# Altium PCB Remotor.PcbDoc
Units mil, origin at the board's own origin, x right, y up, seen from the top; angles counter-clockwise.
Board outline 3877.18 x 3948.17 mil, 2 copper layers (Top Layer, Bottom Layer); 86 components, 78 nets, 344 pads, 211 vias.
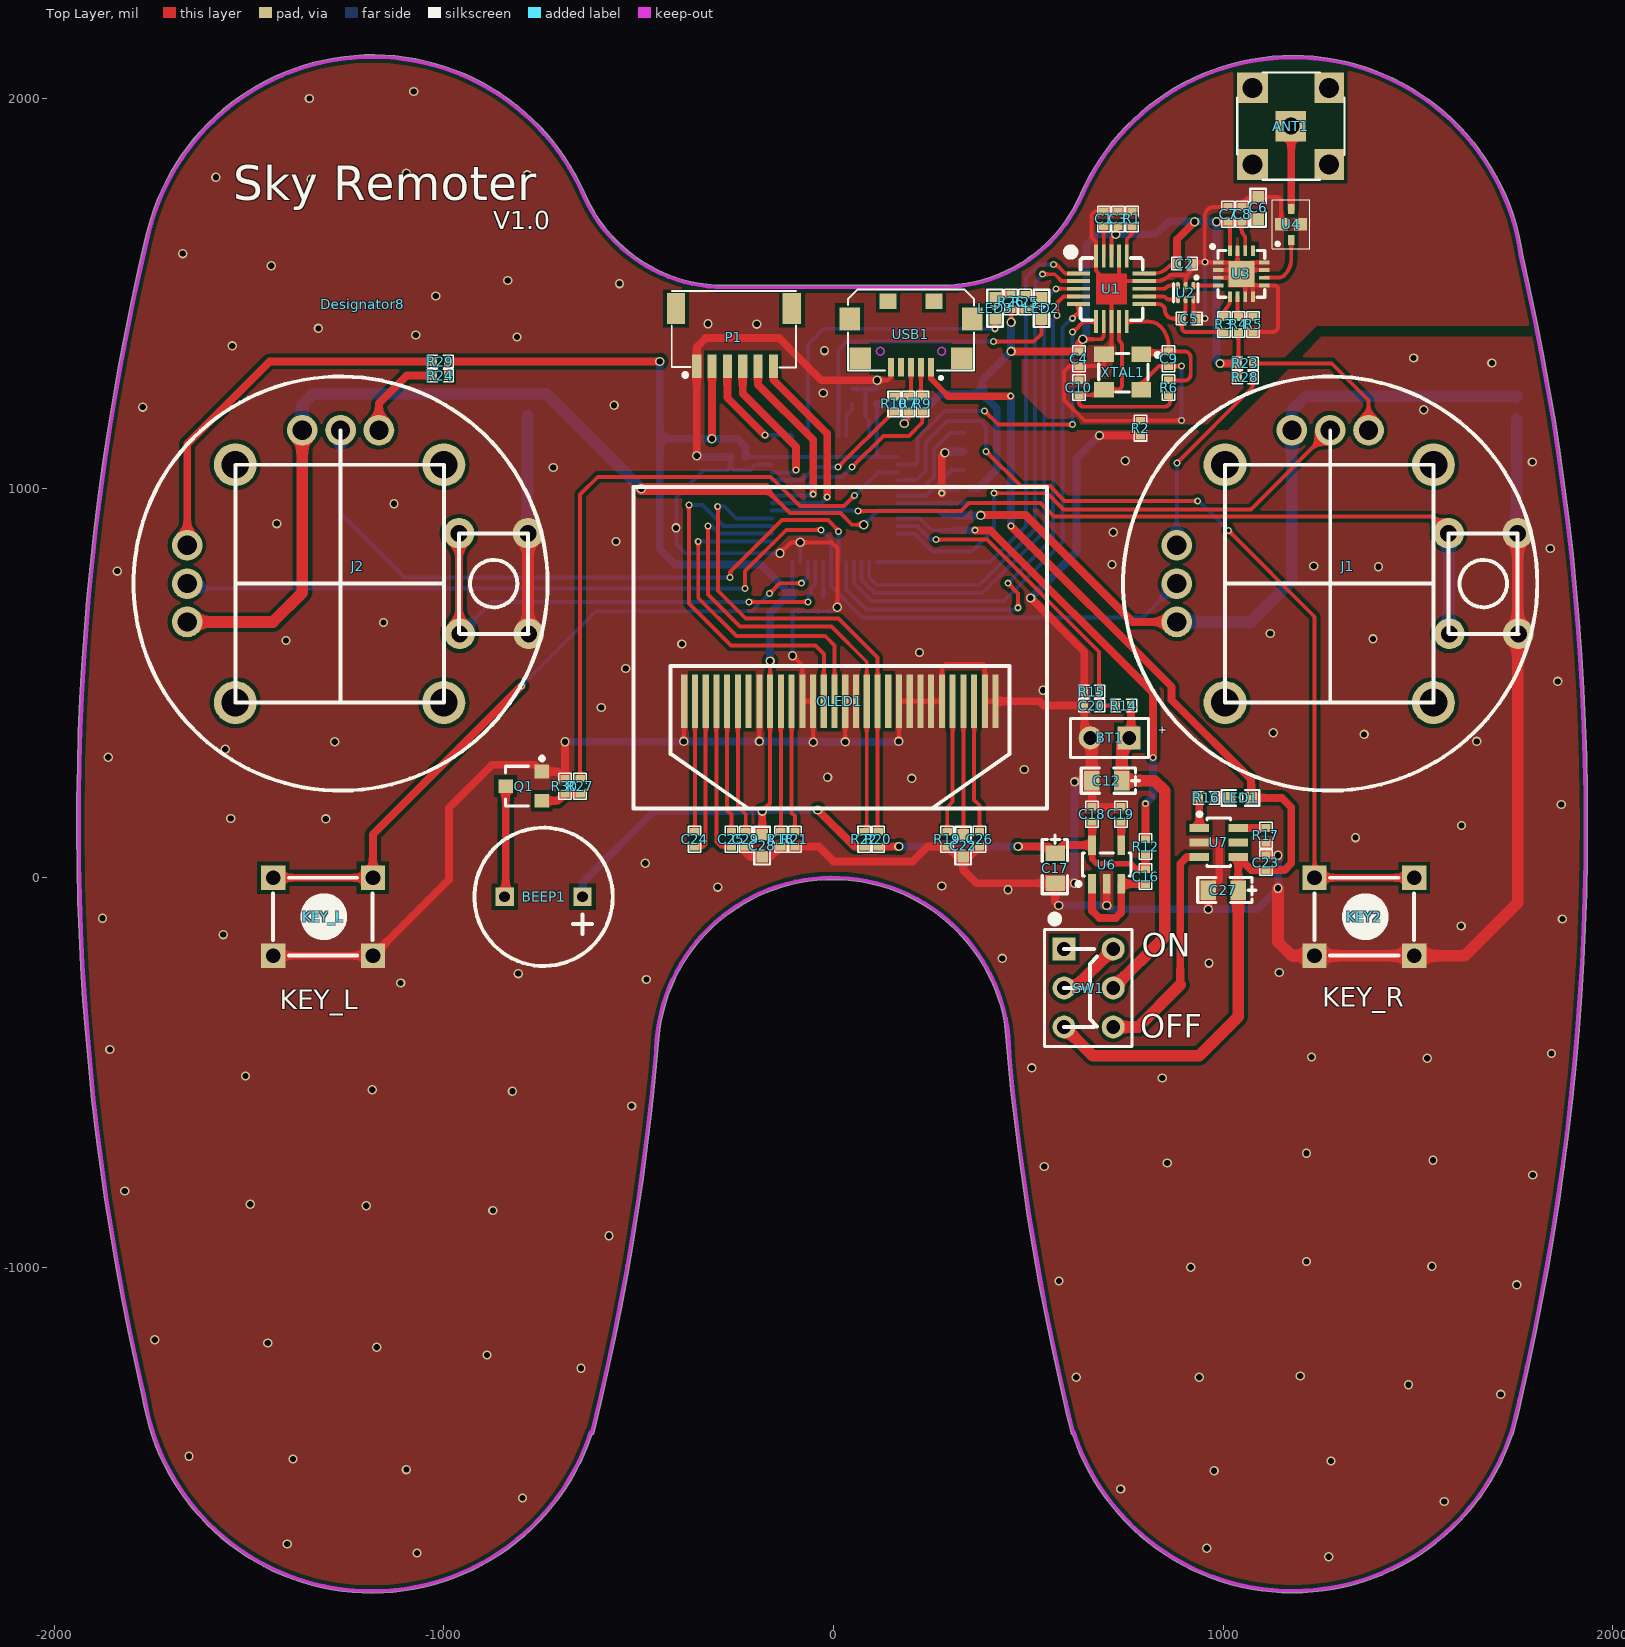
[diagram p0: Top Layer view]
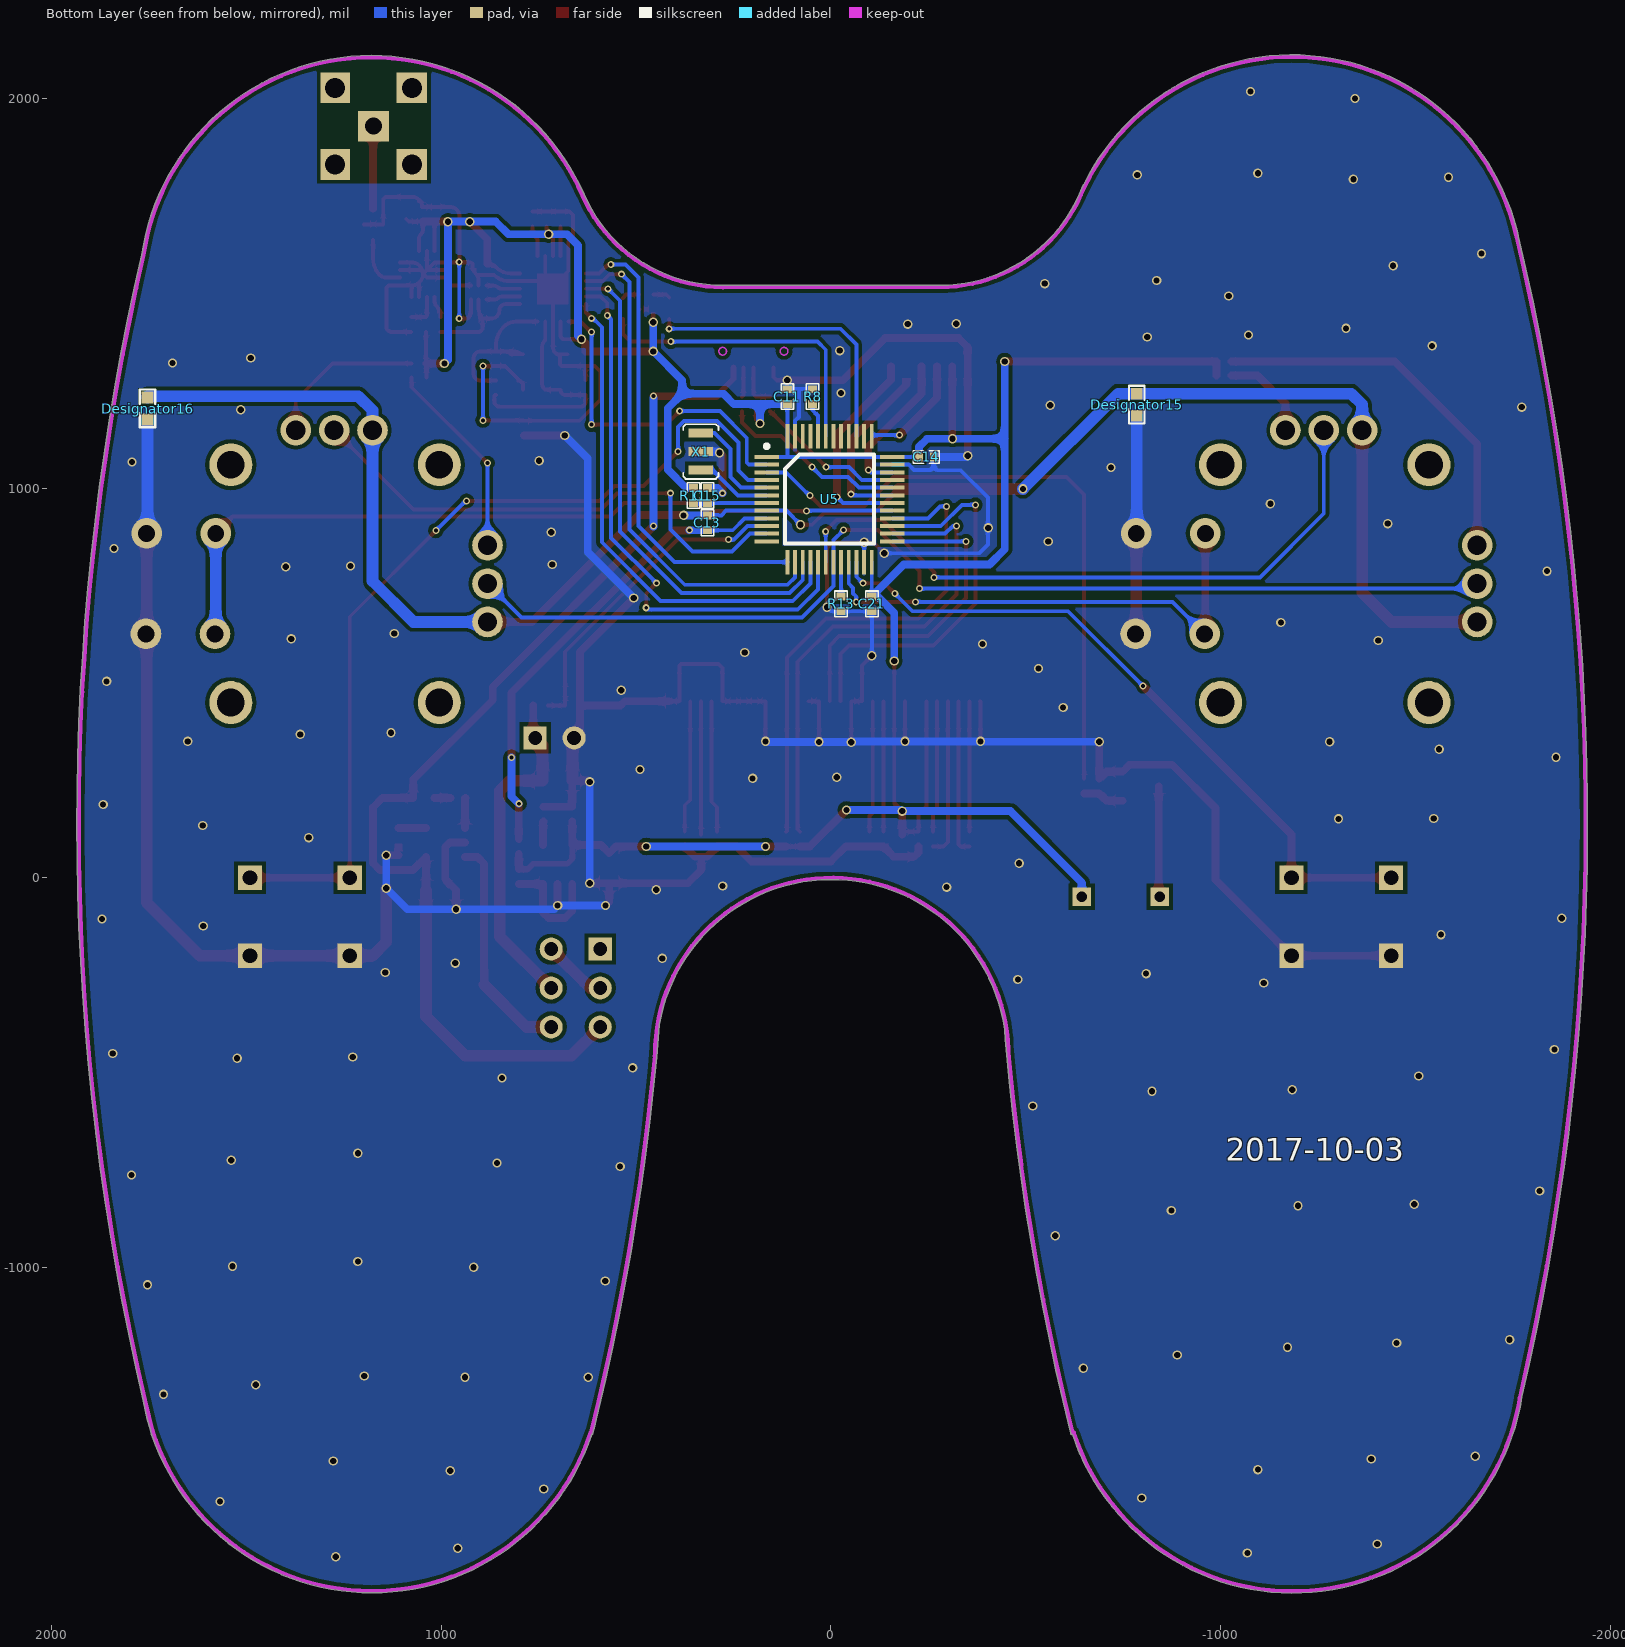
[diagram p1: Bottom Layer view, seen from below]

## Layer stack, top to bottom
Top Solder: solder mask 0.4, Solder Resist, Dk 3.5
Top Layer: signal copper 1.4
Dielectric1: dielectric 12.6, FR-4, Dk 4.8
Bottom Layer: signal copper 1.4
Bottom Solder: solder mask 0.4, Solder Resist, Dk 3.5

## Board outline
-1773.51,-1332.22 ccw(c-1185.04,-1240.57) -620.26,-1429.57 ccw(c-620.23,-1424.56) -615.36,-1425.76 ccw(c-6925.61,137.8) -450.34,-440.84 ccw(c-6925.61,137.8) -445.96,-389.59 cw(c-1.84,-453.24) 440.29,-376.96 ccw(c6920.95,137.8) 596.65,-1367.91 ccw(c1178.28,-1239.84) 601.85,-1389.58 ccw(c6920.95,137.8) 610.7,-1425.76 ccw(c615.57,-1424.56) 613.61,-1429.18 ccw(c1178.28,-1239.84) 1742.67,-1429.99 ccw(c1739.64,-1426) 1744.5,-1427.2 ccw(c-4565.75,136.36) 1747.56,-1414.82 ccw(c1178.28,-1239.84) 1765.05,-1341.82 ccw(c-4565.75,136.36) 1935.33,136.36 ccw(c-4565.75,136.36) 1768.6,1599.25 ccw(c1179.04,1514.87) 633.33,1753.4 cw(c277.18,1909.07) 633.32,1753.37 cw(c277.18,1909.07) 276.99,1520.39 cw(c277.18,1909.07) 276.96,1520.39 cw(c276.96,1515.37) 276.99,1520.39 276.96,1520.39 -280.99,1520.69 cw(c-280.77,1909.38) -281.02,1520.69 cw(c-280.77,1909.38) -637.14,1754.2 cw(c-280.77,1909.38) -637.15,1754.23 cw(c-641.75,1752.23) -637.14,1754.2 -637.15,1754.23 ccw(c-1183.21,1516.5) -1759.9,1665.25 ccw(c-1183.21,1516.5) -1764.56,1645.84 ccw(c-1183.21,1516.5) -1764.57,1645.79 -1764.56,1645.84 ccw(c4559.19,137.8)

## Design rules (kind name [scope] priority, off if disabled: settings)
Clearance Clearance_6 [InPolygon] p1: gap=10
Clearance Clearance_5 [(InComponent('U2')) vs (InComponent('U2'))] p2: gap=0
Clearance Clearance_4 [(InComponent('USB1'))] p3: gap=0
Clearance Clearance_3 [(InComponent('U5')) vs (InComponent('U5'))] p4: gap=0
Clearance Clearance_2 [(InComponent('U1')) vs (InComponent('U1'))] p5: gap=0
Clearance Clearance_1 [(InComponent('U3')) vs (InComponent('U3'))] p6: gap=0
Clearance [All] p7: gap=8
ComponentClearance ComponentClearance_2 [InComponent('J2')] p1: gap=-10 collisioncheckmode=3 verticalgap=10 showdistances=FALSE
ComponentClearance ComponentClearance_1 [InComponent('J1')] p2: gap=-10 collisioncheckmode=3 verticalgap=10 showdistances=FALSE
ComponentClearance [All] p3: gap=0 collisioncheckmode=3 verticalgap=10 showdistances=FALSE
PlaneConnect [All] p1: planeconnectstyle=Direct reliefexpansion=20 reliefentries=4 reliefconductorwidth=10 reliefairgap=10
PolygonConnect [All] p1: connectstyle=Direct reliefconductorwidth=10 reliefentries=4 polygonreliefangle="90 Angle" airgapwidth=10
RoutingVias [All] p1: holewidth=15 width=30 viastyle="Through Hole" minholewidth=10 minwidth=10 maxholewidth=28 maxwidth=50
SilkToSolderMaskClearance SilkscreenOverComponentPads [IsPad] p1: minsilkscreentomaskgap=10 clearancetoexposedcopper=TRUE
SolderMaskExpansion [All] p1: expansion=4
Width [All] p1: maxlimit=100 minlimit=8 preferedwidth=10
27 further rules are at their usual default settings.

## Classes and differential pairs
component class Remotor_1: BEEP1 BT1 C11 C12 C13 C14 C15 C16 C17 C18 C19 C20 C21 C22 C23 C24 C25 C26 C27 C28 C29 J1 J2 KEY1 KEY2 KEY_L LED1 LED2 LED3 OLED1 P1 Q1 R7 R8 R9 R10 R11 R12 R13 R14 R15 R16 R17 R18 R19 R20 R21 R22 R23 R24 R25 R26 R27 R28 R29 R30 SW1 U5 U6 U7 USB1 X1
component class Remotor: ANT1 C1 C2 C3 C4 C5 C6 C7 C8 C9 C10 R1 R2 R3 R4 R5 R6 U1 U2 U3 U4 XTAL1

## Components (designator, comment, footprint, x,y, rotation, side; value= is the part's Value field where it differs from the comment)
ANT1 "Comment" SMB 1174,1939 r0 top
BEEP1 "BEEP" BELL-5 -644,-49 r180 top
BT1 "VBAT" BAT-2 709,359 r180 top
C1 "333" 0402 694,1691 r270 top
C2 "104" 0402 901,1576 r180 top
C3 "104" 0402 730,1691 r270 top
C4 "103" 0402 630,1332 r90 top
C5 "222" 0402 913,1435 r0 top
C6 "10uF" 0603P 1090,1719 r90 top
C7 "221" 0402 1013,1703 r90 top
C8 "103" 0402 1049,1703 r90 top
C9 "22p" 0402 860,1332 r270 top
C10 "22p" 0402 630,1258 r270 top
C11 "104" 0402 112,1235 r270 bottom
C12 "10uF" "C0805 钽电容" 740,249 r180 top
C13 "104" 0402 317,911 r270 bottom
C14 "104" 0402 -245,1080 r0 bottom
C15 "104" 0402 317,981 r270 bottom
C16 "1uF" 0402 801,3 r270 top
C17 "10uF" "C0805 钽电容" 569,63 r270 top
C18 "104" 0402 664,163 r270 top
C19 "223" 0402 738,163 r270 top
C20 "104" 0402 663,442 r180 top
C21 "104" 0402 -105,703 r270 bottom
C22 "10uF" 0603P 333,82 r90 top
C23 "104" 0402 1110,39 r270 top
C24 "1uF" 0402 -356,99.03 r90 top
C25 "1uF" 0402 -262,99.03 r270 top
C26 "2.2uF" 0402 375,99.03 r90 top
C27 "10uF" "C0805 钽电容" 1039,-32 r180 top
C28 "10uF" 0603P -183,82 r90 top
C29 "104" 0402 -225,99.03 r90 top
Designator8 "Comment" LOGO -1208,1472 r0 top
Designator15 "Comment" 0603P -785,1214 r90 bottom
Designator16 "Comment" 0603P 1754,1204 r90 bottom
J1 "油门摇杆" 摇杆2 1445,690 r180 top
J2 "方向摇杆" 摇杆2 -1095,690 r180 top
KEY2 "KEY_L" KEY_M 1235,0 r0 top
KEY_L "KEY_L" KEY_M -1438,0 r0 top (schematic designator KEY1)
LED1 "BLUE" 0603 1045,205 r180 top
LED2 "BLUE" 0603 534.06,1461.5 r270 top
LED3 "BLUE" 0603 415,1462 r270 top
OLED1 "OLED12864" OLED_0.96 -383,453 r0 top
P1 "HEAD6" SH1.0-6P -351,1313 r0 top
Q1 "S8050" SOT-23R -790,235 r90 top
R1 "22K" 0402 766,1691 r90 top
R2 "0R" 0402 788,1154 r270 top
R3 "1K" 0402 1002,1420 r90 top
R4 "10K" 0402 1039.5,1420 r270 top
R5 "22K" 0402 1077,1420 r90 top
R6 "1M" 0402 860,1258 r90 top
R7 "1K" 0402 192,1216 r270 top
R8 "10K" 0402 47,1235 r270 bottom
R9 "10R" 0402 228,1216 r270 top
R10 "10R" 0402 156,1216 r270 top
R11 "10K" 0402 353,981 r90 bottom
R12 "10R" 0402 801,80 r90 top
R13 "10K" 0402 -26,703 r270 bottom
R14 "49.4K" 0402 745,442 r180 top
R15 "49.9K" 0402 663,478 r180 top
R16 "4.7K" 0402 957,205 r0 top
R17 "4.7K" 0402 1110,109 r90 top
R18 "4.7K" 0402 -135,99.03 r90 top
R19 "750K" 0402 292,99.03 r90 top
R20 "4.7K" 0402 115,99.03 r90 top
R21 "4.7K" 0402 -99,99.03 r90 top
R22 "4.7K" 0402 79,99.03 r90 top
R23 "0" 0402 1057,1320 r0 top
R24 "0" 0402 -1009,1289 r180 top
R25 "1K" 0402 492.06,1477.53 r90 top
R26 "1K" 0402 456,1478 r90 top
R27 "1K" 0402 -650,235 r90 top
R28 "0" 0402 1057,1284 r180 top
R29 "0" 0402 -1009,1325 r0 top
R30 "10K" 0402 -689,235 r90 top
SW1 "单刀双掷" 拨动开关DIP 592,-183 r270 top
U1 "NRF24L01" QFN20 629,1551 r0 top
U2 "2450BM14A0002" 0603-6 904,1502 r270 top
U3 "RFX2401C" QFN16M 1047,1550 r0 top
U4 "2450BP14D0100" BALUN_250BP 1150,1677 r90 top
U5 "STM32F103C8" mTQFP48 164.84,1080 r180 bottom
U6 "XC6204-3.0" SOT-23-5 664,-16 r90 top
U7 "TP4059" SOT-23-6 939,128 r0 top
USB1 "USB" MICRO_USB5P_SOP 199,1310 r0 top
X1 "8M" XTAL3215 334,1094 r270 bottom
XTAL1 "16M" "XTAL3225   无源" 742,1298 r180 top

## Footprints (in the part's own frame and the unit in brackets; to place one, negate y for a bottom-side part, rotate by r counter-clockwise, add the part's x,y. Pads: shape width x height; smd on the part's side, far side on the other; paste and mask are expansions set on the pad)
0402 [mil]
  rect 20x23.62 smd: 1(-19,0) 2(19,0)
  silkscreen extent -33,-16 33,16
0603 [mil]
  rect 30x30 smd: 1(-27,0) 2(27.5,-0.06)
  silkscreen extent -48,-20 48,20
0603-6 [mm]
  oval 0.5x0.25 smd: 1(-0.45,0.5) 2(-0.45,0) 3(-0.45,-0.5) 4(0.45,-0.5) 5(0.45,0) 6(0.45,0.5)
  silkscreen extent -1.05,-0.8 0.6,0.8, body extent -0.3,-0.8 0.3,0.8, height 0.5
0603P [mil]
  rect 30x30 smd: 1(-28,0) 2(28.5,-0.06)
  silkscreen extent -48,-20 49,20
BALUN_250BP [mm]
  rect 0.8x0.85 smd: 1(0,0) 3(0,-1.245)
  rect 0.65x0.4 smd: 2(1.016,-0.635) 4(-1.016,-0.635)
  silkscreen extent -1.57,-1.85 1.6,0.61
BAT-2 [mm]
  rect 1.5x1.5 hole 0.9: 1(-1.27,0)
  round 1.5 hole 0.9: 2(1.27,0)
  silkscreen extent -2.54,-1.27 2.54,1.27
BELL-5 [mm]
  rect 1.2x1.2 hole 0.7: 1(0,0) 2(5.08,0)
  silkscreen extent -1.97,-4.51 7.05,4.51
"C0805 钽电容" [mil]
  rect 40x50 smd: 1(0,-0.06) 2(77,-0.06)
  silkscreen extent -46,-33 104,32
KEY_M [mil]
  rect 62x62 hole 38: 1(0,0) 1(255.91,0) 2(0,-200) 2(255.91,-200)
  silkscreen extent 0,-200 255,0
LOGO [mil]
MICRO_USB5P_SOP [mm]
  rect 1.35x1.5 smd: 0(-4,3.16) 0(4,3.16)
  rect 1.4x1.4 smd: 0(-3.3,0.6) 0(3.3,0.6)
  rect 1.1x1 smd: 0(-1.5,4.3) 0(1.5,4.3)
  rect 0.4x1.2 smd: 1(1.3,0) 2(0.65,0) 3(0,0) 4(-0.65,0) 5(-1.3,0)
  Keep-Out Layer circle w0.1: c-2,1.05 r0.25
  Keep-Out Layer circle w0.1: c2,1.05 r0.25
  silkscreen extent -4.11,-0.79 4.11,5.08
mTQFP48 [mm]
  rect 1.6x0.254 smd: 1(0,0) 2(0,-0.5) 3(0,-1) 4(0,-1.5) 5(0,-2) 6(0,-2.5) 7(0,-3) 8(0,-3.5) 9(0,-4) 10(0,-4.5) 11(0,-5) 12(0,-5.5) 25(8.2,-5.5) 26(8.2,-5) 27(8.2,-4.5) 28(8.2,-4) 29(8.2,-3.5) 30(8.2,-3) 31(8.2,-2.5) 32(8.2,-2) 33(8.2,-1.5) 34(8.2,-1) 35(8.2,-0.5) 36(8.2,0)
  rect 0.254x1.6 smd: 13(1.35,-6.85) 14(1.85,-6.85) 15(2.35,-6.85) 16(2.85,-6.85) 17(3.35,-6.85) 18(3.85,-6.85) 19(4.35,-6.85) 20(4.85,-6.85) 21(5.35,-6.85) 22(5.85,-6.85) 23(6.35,-6.85) 24(6.85,-6.85) 37(6.85,1.35) 38(6.35,1.35) 39(5.85,1.35) 40(5.35,1.35) 41(4.85,1.35) 42(4.35,1.35) 43(3.85,1.35) 44(3.35,1.35) 45(2.85,1.35) 46(2.35,1.35) 47(1.85,1.35) 48(1.35,1.35)
  silkscreen extent -0.12,-5.65 7,0.82
OLED_0.96 [mm]
  rect 0.4x3.5 smd: 1(0,0) 2(0.7,0) 3(1.4,0) 4(2.1,0) 5(2.8,0) 6(3.5,0) 7(4.2,0) 8(4.9,0) 9(5.6,0) 10(6.3,0) 11(7,0) 12(7.7,0) 13(8.4,0) 14(9.1,0) 15(9.8,0) 16(10.5,0) 17(11.2,0) 18(11.9,0) 19(12.6,0) 20(13.3,0) 21(14,0) 22(14.7,0) 23(15.4,0) 24(16.1,0) 25(16.8,0) 26(17.5,0) 27(18.2,0) 28(18.9,0) 29(19.6,0) 30(20.3,0)
  silkscreen extent -3.3,-6.98 23.66,13.97
QFN16M [mm]
  rect 0.7x0.25 smd: 1(-1.5,0.75) 2(-1.5,0.25) 3(-1.5,-0.25) 4(-1.5,-0.75) 9(1.5,-0.75) 10(1.5,-0.25) 11(1.5,0.25) 12(1.5,0.75)
  rect 0.25x0.7 smd: 5(-0.75,-1.5) 6(-0.25,-1.5) 7(0.25,-1.5) 8(0.75,-1.5) 13(0.75,1.5) 14(0.25,1.5) 15(-0.25,1.5) 16(-0.75,1.5)
  rect 1.7x1.7 smd: 17(0,0)
  silkscreen extent -1.98,-1.52 1.52,1.88
QFN20 [mm]
  rect 1.5x0.25 smd: 1(0,0) 2(0,-0.5) 3(0,-1) 4(0,-1.5) 5(0,-2) 11(4.286,-2) 12(4.286,-1.5) 13(4.286,-1) 14(4.286,-0.5) 15(4.286,0)
  rect 0.25x1.5 smd: 6(1.143,-3.143) 7(1.643,-3.143) 8(2.143,-3.143) 9(2.643,-3.143) 10(3.143,-3.143) 16(3.143,1.143) 17(2.643,1.143) 18(2.143,1.143) 19(1.643,1.143) 20(1.143,1.143)
  Top Layer region: 1.143,-2.032 3.175,-2.032 3.175,0 1.143,0
  silkscreen extent -0.75,-3.05 4.19,1.65
SH1.0-6P [mm]
  rect 0.6x1.55 smd: 1(0,0) 2(1,0) 3(2,0) 4(3,0) 5(4,0) 6(5,0)
  rect 1.2x2 smd: A(-1.346,3.759) B(6.21,3.759)
  silkscreen extent -1.63,-0.7 6.48,4.89
SMB [mm]
  rect 2x2 hole 1.1: 1(0,-0.254)
  rect 2x2 hole 1.3: 2(-2.5,-2.754) 2(-2.5,2.246)
  rect 1.905x2 hole 1.3: 2(2.5,-2.754) 2(2.5,2.246)
  silkscreen extent -3.5,-3.75 3.5,3.25
SOT-23-5 [mil]
  rect 50x20 smd: 1(0,0) 2(0,-37.4) 3(0,-74.8) 4(100,-74.8) 5(100,0)
  silkscreen extent 0,-99 80,35
SOT-23-6 [mil]
  rect 50x20 smd: 1(0,0) 2(0,-37.4) 3(0,-74.8) 4(100,-74.8) 5(100,-37.4) 6(100,0)
  silkscreen extent 0,-99 80,35
SOT-23R [mm]
  rect 0.9x0.95 smd: 1(0.95,-1.048) 2(-0.95,-1.048) 3(0,1.302)
  silkscreen extent -1.3,-1.19 1.93,1.3
XTAL3215 [mm]
  rect 0.6x1.6 smd: 1(-1.2,0) 2(0,0) 3(1.2,0)
  silkscreen extent -1.78,-1.14 1.78,1.17
"XTAL3225   无源" [mil]
  rect 51.18x39.37 smd: 1(-48,-45.5) 2(48,-45.5) 3(48,45.5) 4(-48,45.5)
  silkscreen extent -95,-49 61,51
拨动开关DIP [mm]
  rect 1.5x1.5 hole 0.9: 1(0,0)
  round 1.5 hole 0.9: 2(2.54,0) 3(5.08,0) 4(5.08,3.2) 5(2.54,3.2) 6(0,3.2)
  silkscreen extent -2.14,-1.27 6.35,4.42
摇杆2 [mm]
  round 2.8 hole 1.8: 0(-2.413,6.102) 0(-2.413,-9.398) 0(11.176,6.102) 0(11.176,-9.398)
  round 2 hole 1.25: 1(14.318,0.849) 2(14.318,-1.651) 3(14.318,-4.151) 4(6.818,-11.651) 5(4.318,-11.651) 6(1.818,-11.651)
  round 2 hole 1.1: J1(-7.95,1.626) J1(-7.904,-4.925) J2(-3.45,1.626) J2(-3.404,-4.925)
  silkscreen extent -9.18,-15.15 17.81,11.85

## Part data
BT1: library part Battery, "Multicell Battery"
C1 C2 C3 C4 C5 C6 C7 C8 C9 C10 C11 C13 C14 C15 C16 C18 C19 C20 C21 C22 C23 C24 C25 C26 C28 C29: library part C
C12 C17 C27: library part CAP
J1: library part 摇杆, "摇杆"
J2: library part 摇杆_1, "摇杆"
KEY2 KEY_L: library part KEY
LED1 LED2 LED3: library part LED
Q1: library part NPN, "8050/BCW846/BCW847"
R1 R2 R3 R4 R5 R6 R7 R8 R9 R10 R11 R12 R13 R14 R15 R16 R17 R18 R19 R20 R21 R22 R23 R24 R25 R26 R27 R28 R29 R30: library part R
SW1: library part 单刀双掷开关, "单刀双掷开关"
U1: library part nrf24xx
U2: library part BALUN
U4: library part BALUN_1
U5: library part STM32F103C6
U6: library part RT9193-33, "3.3V超低压差LDO"
U7: library part TP2459, "600mA充电芯片"
USB1: library part USB5
X1: library part XTAL-3215
XTAL1: library part XTAL-无源贴片, "无源贴片晶振"

## Via types
v1: diameter 24, hole 16, Top Layer to Bottom Layer, 162 vias
v2: diameter 18, hole 10, Top Layer to Bottom Layer, 49 vias

## Nets (pads, with @x,y where several pads share a name; then routed paths per layer and width w, separated by ;. In a path a pad name is that pad's centre, name@x,y a point inside that pad or via, vN(x,y) a via of type N, cw(c..) or ccw(c..) an arc to the next point about the centre after c; other vN are vias at no path point)
3.3V: BEEP1.1 C2.2 C3.2 C4.2 C6.1 C7.1 C8.1 C11.2 C14.2 C16.1 C17.1 C18.2 C21.1 C28.2 C29.2 OLED1.6 OLED1.9 P1.2 R4.2 R7.2 R11.2 R12.1 R20.1 R22.1 R23.1 R24.1 R25.1 R26.1 R28.2 R29.2 U1.7 U1.15 U1.18 U3.14 U3.16 U5.1 U5.24 U5.36 U5.48 U6.5 | length 8286.8
  Top Layer w10: OLED1.6 -245.2,183.2 -225,163 C29.2 -190.47,118.03 C28.2 ; v1(-182.94,171.06) -162.53,191.47 OLED1.9 v1(-162.53,556.47) ; R22.1 R20.1 ; v1(182,1166) 192,1176 R7.2 ; R25.1@491.6,1459 R25.1 ; v1(640,1382) 684,1382 ; U1.7 693.69,1391.69 ; U1.18 713.37,1640.37 v1(724.5,1651.5) ; v1@730,1657 C3.2 ; U1.15 U1.15@821.64,1551 ; C7.1 1017.47,1679.53 U3.16 ; R28.2 R23.1 1039.5,1321.5 R4.2 ; U3.14 1056.84,1642.14 ; C6.1 1083,1684 C8.1 1047,1684 1047,1665.9 ; 684,1382 ccw(c684,1391.69) 693.69,1391.69 ; 684,1382 ccw(c684,1391.69) 693.69,1391.69 ; U1.15@821.64,1551 ccw(c821.64,1602.56) 858.1,1566.1 ; U1.15@821.64,1551 ccw(c821.64,1602.56) 858.1,1566.1 ; 858.1,1566.1 cw(c882,1542.2) C2.2 ccw(c882,1542.2) 858.1,1566.1 ; 1047,1665.9 ccw(c1070.9,1665.9) 1054,1649 ; 1047,1665.9 ccw(c1070.9,1665.9) 1054,1649 ; 1054,1649 cw(c1047.14,1642.14) 1056.84,1642.14 ; 1054,1649 cw(c1047.14,1642.14) 1056.84,1642.14
  Top Layer w15: U6.5 664,48 676,36 764,36 778,22 C16.1
  Top Layer w20: R24.1 R29.2 v1(-446,1325) ; v1@-311.63,1127.37 P1.2 ; C28.2 v1(-182.94,171.06) ; v1(-40,174) 53.97,80.03 R22.1 ; R20.1 v1(168.03,80.03) ; v1(456,1351) C4.2 630,1372 v1(640,1382) ; v1(473.97,80.03) 551.9,80.03 C17.1 589.94,84 U6.5 C18.2 ; C16.1 R12.1 ; C2.2 882,1639 v1(927,1684) ; v1(983,1684) C7.1 C8.1@1047,1684 ; v1(992,1320) R23.1
  Bottom Layer w10: C14.2 U5.36 U5.1 ; C21.1 -104.85,722.15 U5.24 ; 111.69,1081.31 U5.48 C11.2@111.69,1215.69
  Bottom Layer w20: BEEP1.1 -644,-12 -460.94,171.06 v1(-182.94,171.06) -180,174 v1(-40,174) ; v1(-446,1325) -446,1127 ; v1(-312,1127) -446,1127 ; v1@-310,1127 -247,1127 -226,1106 C14.2 ; v1(-162.53,556.47) -162.53,679.47 -120,722 C21.1 -187,804 -407,804 -446,843 -446,1127 ; C11.2@112,1215.69 182,1215.69 ; v1(168.03,80.03) v1(473.97,80.03) ; v1(182,1166) 182,1215.69 ; R11.2 371,1000 419,1048 419,1205.18 382,1242.18 ; v1(456,1426) v1(456,1351) 382,1277 382,1242.18 ; v1(640,1382) 649,1391 649,1623 677.5,1651.5 v1(724.5,1651.5) 827.5,1651.5 860,1684 v1(927,1684) v1(983,1684) 983,1329 v1(992,1320) ; 182,1215.69 249,1215.69 275.5,1242.18 382,1242.18